# KiCad board cell-sim.kicad_pcb (continued)
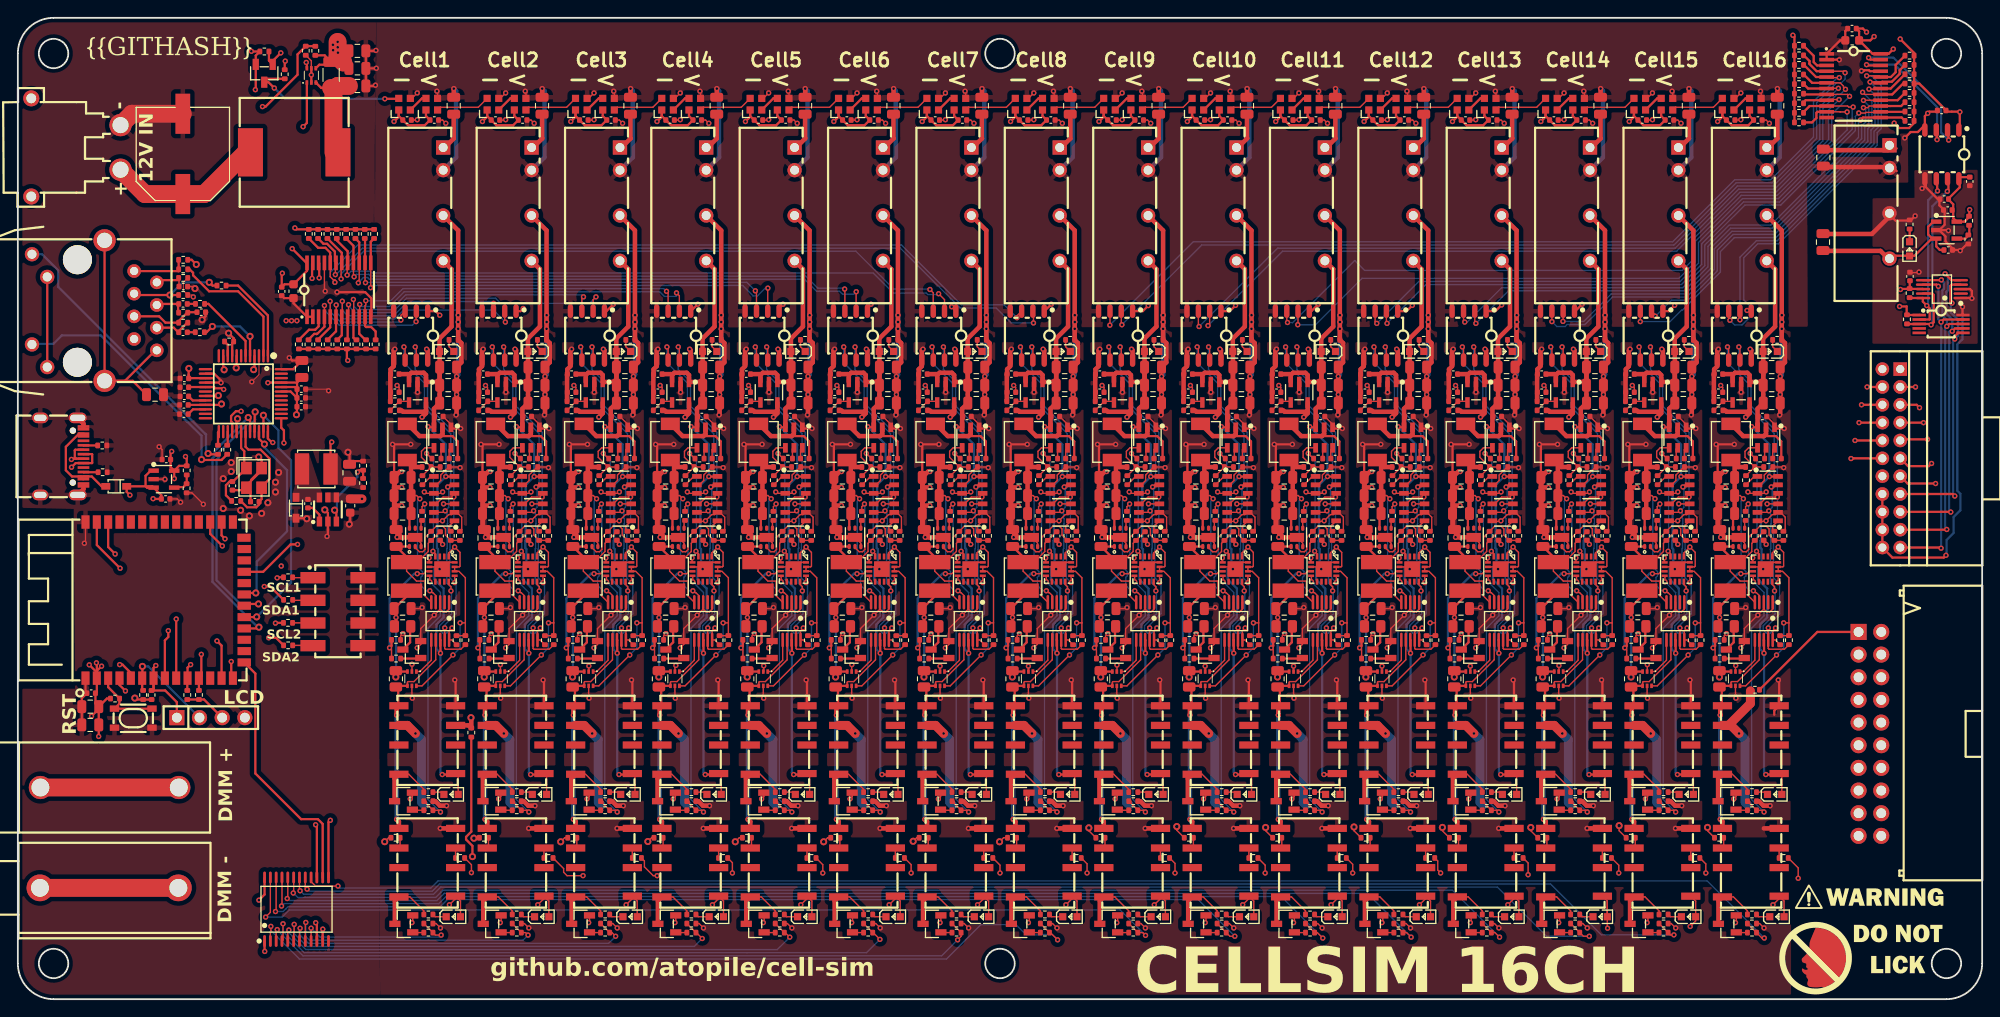
[diagram p0: board, top side]
## Placement (name value [footprint] x y rotation side) (continued)
R84  62.5mW Thick Film Resistors 50V ±100ppm/℃ ±1% 1kΩ 0402 Chip Resistor - Surface Mount ROHS  [R0402]  45.98 8.48 0 top
R85  62.5mW Thick Film Resistors 50V ±100ppm/℃ ±1% 1kΩ 0402 Chip Resistor - Surface Mount ROHS  [R0402]  42.36 38.18 0 top
R86  62.5mW Thick Film Resistors 50V ±100ppm/℃ ±1% 10kΩ 0402 Chip Resistor - Surface Mount ROHS  [R0402]  42.36 40.28 0 top
R87  125mW Thick Film Resistors 150V ±100ppm/℃ ±1% 226Ω 0805  Chip Resistor - Surface Mount ROHS  [R0805]  43.09 41.79 0 top
R88  62.5mW Thick Film Resistors 50V ±100ppm/℃ ±1% 10kΩ 0402 Chip Resistor - Surface Mount ROHS  [R0402]  50.12 40.25 90 top
R89  62.5mW Thick Film Resistors 50V ±100ppm/℃ ±1% 10kΩ 0402 Chip Resistor - Surface Mount ROHS  [R0402]  49.13 40.23 90 top
R90  62.5mW Thick Film Resistors 50V ±100ppm/℃ ±1% 11.5kΩ 0402 Chip Resistor - Surface Mount ROHS  [R0402]  42.22 66 180 top
R91  62.5mW Thick Film Resistors 50V ±100ppm/℃ ±1% 6.19kΩ 0402 Chip Resistor - Surface Mount ROHS  [R0402]  42.22 67.02 180 top
R92  62.5mW Thick Film Resistors 50V ±100ppm/℃ ±1% 10kΩ 0402 Chip Resistor - Surface Mount ROHS  [R0402]  42.3 18.09 180 top
R93  62.5mW Thick Film Resistors 50V ±100ppm/℃ ±1% 10kΩ 0402 Chip Resistor - Surface Mount ROHS  [R0402]  49.53 15.83 0 top
R94  62.5mW Thick Film Resistors 50V ±100ppm/℃ ±1% 14kΩ 0402 Chip Resistor - Surface Mount ROHS  [R0402]  58.7 73.9 0 top
R95  62.5mW Thick Film Resistors 50V ±100ppm/℃ ±1% 24kΩ 0402 Chip Resistor - Surface Mount ROHS  [R0402]  55.21 58.17 90 top
R96  62.5mW Thick Film Resistors 50V ±100ppm/℃ ±1% 37.4kΩ 0402 Chip Resistor - Surface Mount ROHS  [R0402]  55.68 59.65 0 top
R97  62.5mW Thick Film Resistors 50V ±100ppm/℃ ±1% 10kΩ 0402 Chip Resistor - Surface Mount ROHS  [R0402]  57.71 59.65 0 top
R98  62.5mW Thick Film Resistors 50V ±100ppm/℃ ±1% 10kΩ 0402 Chip Resistor - Surface Mount ROHS  [R0402]  56.79 60.6 0 top
R99  62.5mW Thick Film Resistors 50V ±100ppm/℃ ±1% 43kΩ 0402 Chip Resistor - Surface Mount ROHS  [R0402]  58.39 51.94 270 top
R100  62.5mW Thick Film Resistors 50V ±100ppm/℃ ±1% 60.4kΩ 0402 Chip Resistor - Surface Mount ROHS  [R0402]  56.19 51.93 90 top
R101  62.5mW Thick Film Resistors 50V ±100ppm/℃ ±1% 10kΩ 0402 Chip Resistor - Surface Mount ROHS  [R0402]  59.4 51.94 90 top
R102  62.5mW Thick Film Resistors 50V ±100ppm/℃ ±1% 10kΩ 0402 Chip Resistor - Surface Mount ROHS  [R0402]  55.16 54.17 270 top
R103  125mW Thick Film Resistors 150V ±1% 100mΩ 0805 Chip Resistor - Surface Mount ROHS  [R0805]  52.24 35.91 270 top
R104  62.5mW Thick Film Resistors 50V ±100ppm/℃ ±1% 13kΩ 0402 Chip Resistor - Surface Mount ROHS  [R0402]  55.88 23.21 180 top
R105  62.5mW Thick Film Resistors 50V ±100ppm/℃ ±1% 10kΩ 0402 Chip Resistor - Surface Mount ROHS  [R0402]  55.88 21.18 180 top
R106  62.5mW Thick Film Resistors 50V ±100ppm/℃ ±1% 1kΩ 0402 Chip Resistor - Surface Mount ROHS  [R0402]  55.88 22.19 0 top
R107  62.5mW Thick Film Resistors 50V ±100ppm/℃ ±1% 13kΩ 0402 Chip Resistor - Surface Mount ROHS  [R0402]  55.88 9.49 180 top
R108  62.5mW Thick Film Resistors 50V ±100ppm/℃ ±1% 10kΩ 0402 Chip Resistor - Surface Mount ROHS  [R0402]  55.88 7.46 180 top
R109  62.5mW Thick Film Resistors 50V ±100ppm/℃ ±1% 1kΩ 0402 Chip Resistor - Surface Mount ROHS  [R0402]  55.88 8.48 0 top
R110  62.5mW Thick Film Resistors 50V ±100ppm/℃ ±1% 1kΩ 0402 Chip Resistor - Surface Mount ROHS  [R0402]  52.26 38.18 0 top
R111  62.5mW Thick Film Resistors 50V ±100ppm/℃ ±1% 10kΩ 0402 Chip Resistor - Surface Mount ROHS  [R0402]  52.26 40.28 0 top
R112  125mW Thick Film Resistors 150V ±100ppm/℃ ±1% 226Ω 0805  Chip Resistor - Surface Mount ROHS  [R0805]  52.99 41.79 0 top
R113  62.5mW Thick Film Resistors 50V ±100ppm/℃ ±1% 10kΩ 0402 Chip Resistor - Surface Mount ROHS  [R0402]  60.02 40.25 90 top
R114  62.5mW Thick Film Resistors 50V ±100ppm/℃ ±1% 10kΩ 0402 Chip Resistor - Surface Mount ROHS  [R0402]  59.03 40.23 90 top
R115  62.5mW Thick Film Resistors 50V ±100ppm/℃ ±1% 11.5kΩ 0402 Chip Resistor - Surface Mount ROHS  [R0402]  52.12 66 180 top
R116  62.5mW Thick Film Resistors 50V ±100ppm/℃ ±1% 6.19kΩ 0402 Chip Resistor - Surface Mount ROHS  [R0402]  52.12 67.02 180 top
R117  62.5mW Thick Film Resistors 50V ±100ppm/℃ ±1% 10kΩ 0402 Chip Resistor - Surface Mount ROHS  [R0402]  52.2 18.09 180 top
R118  62.5mW Thick Film Resistors 50V ±100ppm/℃ ±1% 10kΩ 0402 Chip Resistor - Surface Mount ROHS  [R0402]  59.43 15.83 0 top
R119  62.5mW Thick Film Resistors 50V ±100ppm/℃ ±1% 14kΩ 0402 Chip Resistor - Surface Mount ROHS  [R0402]  68.6 73.9 0 top
R120  62.5mW Thick Film Resistors 50V ±100ppm/℃ ±1% 24kΩ 0402 Chip Resistor - Surface Mount ROHS  [R0402]  65.11 58.17 90 top
R121  62.5mW Thick Film Resistors 50V ±100ppm/℃ ±1% 37.4kΩ 0402 Chip Resistor - Surface Mount ROHS  [R0402]  65.58 59.65 0 top
R122  62.5mW Thick Film Resistors 50V ±100ppm/℃ ±1% 10kΩ 0402 Chip Resistor - Surface Mount ROHS  [R0402]  67.61 59.65 0 top
R123  62.5mW Thick Film Resistors 50V ±100ppm/℃ ±1% 10kΩ 0402 Chip Resistor - Surface Mount ROHS  [R0402]  66.69 60.6 0 top
R124  62.5mW Thick Film Resistors 50V ±100ppm/℃ ±1% 43kΩ 0402 Chip Resistor - Surface Mount ROHS  [R0402]  68.29 51.94 270 top
R125  62.5mW Thick Film Resistors 50V ±100ppm/℃ ±1% 60.4kΩ 0402 Chip Resistor - Surface Mount ROHS  [R0402]  66.08 51.93 90 top
R126  62.5mW Thick Film Resistors 50V ±100ppm/℃ ±1% 10kΩ 0402 Chip Resistor - Surface Mount ROHS  [R0402]  69.3 51.94 90 top
R127  62.5mW Thick Film Resistors 50V ±100ppm/℃ ±1% 10kΩ 0402 Chip Resistor - Surface Mount ROHS  [R0402]  65.06 54.17 270 top
R128  125mW Thick Film Resistors 150V ±1% 100mΩ 0805 Chip Resistor - Surface Mount ROHS  [R0805]  62.14 35.91 270 top
R129  62.5mW Thick Film Resistors 50V ±100ppm/℃ ±1% 13kΩ 0402 Chip Resistor - Surface Mount ROHS  [R0402]  65.78 23.21 180 top
R130  62.5mW Thick Film Resistors 50V ±100ppm/℃ ±1% 10kΩ 0402 Chip Resistor - Surface Mount ROHS  [R0402]  65.78 21.18 180 top
R131  62.5mW Thick Film Resistors 50V ±100ppm/℃ ±1% 1kΩ 0402 Chip Resistor - Surface Mount ROHS  [R0402]  65.78 22.19 0 top
R132  62.5mW Thick Film Resistors 50V ±100ppm/℃ ±1% 13kΩ 0402 Chip Resistor - Surface Mount ROHS  [R0402]  65.78 9.49 180 top
R133  62.5mW Thick Film Resistors 50V ±100ppm/℃ ±1% 10kΩ 0402 Chip Resistor - Surface Mount ROHS  [R0402]  65.78 7.46 180 top
R134  62.5mW Thick Film Resistors 50V ±100ppm/℃ ±1% 1kΩ 0402 Chip Resistor - Surface Mount ROHS  [R0402]  65.78 8.48 0 top
R135  62.5mW Thick Film Resistors 50V ±100ppm/℃ ±1% 1kΩ 0402 Chip Resistor - Surface Mount ROHS  [R0402]  62.16 38.18 0 top
R136  62.5mW Thick Film Resistors 50V ±100ppm/℃ ±1% 10kΩ 0402 Chip Resistor - Surface Mount ROHS  [R0402]  62.16 40.28 0 top
R137  125mW Thick Film Resistors 150V ±100ppm/℃ ±1% 226Ω 0805  Chip Resistor - Surface Mount ROHS  [R0805]  62.89 41.79 0 top
R138  62.5mW Thick Film Resistors 50V ±100ppm/℃ ±1% 10kΩ 0402 Chip Resistor - Surface Mount ROHS  [R0402]  69.92 40.25 90 top
R139  62.5mW Thick Film Resistors 50V ±100ppm/℃ ±1% 10kΩ 0402 Chip Resistor - Surface Mount ROHS  [R0402]  68.93 40.23 90 top
R140  62.5mW Thick Film Resistors 50V ±100ppm/℃ ±1% 11.5kΩ 0402 Chip Resistor - Surface Mount ROHS  [R0402]  62.02 66 180 top
R141  62.5mW Thick Film Resistors 50V ±100ppm/℃ ±1% 6.19kΩ 0402 Chip Resistor - Surface Mount ROHS  [R0402]  62.02 67.02 180 top
R142  62.5mW Thick Film Resistors 50V ±100ppm/℃ ±1% 10kΩ 0402 Chip Resistor - Surface Mount ROHS  [R0402]  62.1 18.09 180 top
R143  62.5mW Thick Film Resistors 50V ±100ppm/℃ ±1% 10kΩ 0402 Chip Resistor - Surface Mount ROHS  [R0402]  69.33 15.83 0 top
R144  62.5mW Thick Film Resistors 50V ±100ppm/℃ ±1% 14kΩ 0402 Chip Resistor - Surface Mount ROHS  [R0402]  78.26 73.9 0 top
R145  62.5mW Thick Film Resistors 50V ±100ppm/℃ ±1% 24kΩ 0402 Chip Resistor - Surface Mount ROHS  [R0402]  74.77 58.17 90 top
R146  62.5mW Thick Film Resistors 50V ±100ppm/℃ ±1% 37.4kΩ 0402 Chip Resistor - Surface Mount ROHS  [R0402]  75.24 59.65 0 top
R147  62.5mW Thick Film Resistors 50V ±100ppm/℃ ±1% 10kΩ 0402 Chip Resistor - Surface Mount ROHS  [R0402]  77.27 59.65 0 top
R148  62.5mW Thick Film Resistors 50V ±100ppm/℃ ±1% 10kΩ 0402 Chip Resistor - Surface Mount ROHS  [R0402]  76.35 60.6 0 top
R149  62.5mW Thick Film Resistors 50V ±100ppm/℃ ±1% 43kΩ 0402 Chip Resistor - Surface Mount ROHS  [R0402]  77.95 51.94 270 top
R150  62.5mW Thick Film Resistors 50V ±100ppm/℃ ±1% 60.4kΩ 0402 Chip Resistor - Surface Mount ROHS  [R0402]  75.74 51.93 90 top
R151  62.5mW Thick Film Resistors 50V ±100ppm/℃ ±1% 10kΩ 0402 Chip Resistor - Surface Mount ROHS  [R0402]  78.96 51.94 90 top
R152  62.5mW Thick Film Resistors 50V ±100ppm/℃ ±1% 10kΩ 0402 Chip Resistor - Surface Mount ROHS  [R0402]  74.72 54.17 270 top
R153  125mW Thick Film Resistors 150V ±1% 100mΩ 0805 Chip Resistor - Surface Mount ROHS  [R0805]  71.8 35.91 270 top
R154  62.5mW Thick Film Resistors 50V ±100ppm/℃ ±1% 13kΩ 0402 Chip Resistor - Surface Mount ROHS  [R0402]  75.44 23.21 180 top
R155  62.5mW Thick Film Resistors 50V ±100ppm/℃ ±1% 10kΩ 0402 Chip Resistor - Surface Mount ROHS  [R0402]  75.44 21.18 180 top
R156  62.5mW Thick Film Resistors 50V ±100ppm/℃ ±1% 1kΩ 0402 Chip Resistor - Surface Mount ROHS  [R0402]  75.44 22.19 0 top
R157  62.5mW Thick Film Resistors 50V ±100ppm/℃ ±1% 13kΩ 0402 Chip Resistor - Surface Mount ROHS  [R0402]  75.44 9.49 180 top
R158  62.5mW Thick Film Resistors 50V ±100ppm/℃ ±1% 10kΩ 0402 Chip Resistor - Surface Mount ROHS  [R0402]  75.44 7.46 180 top
R159  62.5mW Thick Film Resistors 50V ±100ppm/℃ ±1% 1kΩ 0402 Chip Resistor - Surface Mount ROHS  [R0402]  75.44 8.48 0 top
R160  62.5mW Thick Film Resistors 50V ±100ppm/℃ ±1% 1kΩ 0402 Chip Resistor - Surface Mount ROHS  [R0402]  71.82 38.18 0 top
R161  62.5mW Thick Film Resistors 50V ±100ppm/℃ ±1% 10kΩ 0402 Chip Resistor - Surface Mount ROHS  [R0402]  71.82 40.28 0 top
R162  125mW Thick Film Resistors 150V ±100ppm/℃ ±1% 226Ω 0805  Chip Resistor - Surface Mount ROHS  [R0805]  72.55 41.79 0 top
R163  62.5mW Thick Film Resistors 50V ±100ppm/℃ ±1% 10kΩ 0402 Chip Resistor - Surface Mount ROHS  [R0402]  79.58 40.25 90 top
R164  62.5mW Thick Film Resistors 50V ±100ppm/℃ ±1% 10kΩ 0402 Chip Resistor - Surface Mount ROHS  [R0402]  78.59 40.23 90 top
R165  62.5mW Thick Film Resistors 50V ±100ppm/℃ ±1% 11.5kΩ 0402 Chip Resistor - Surface Mount ROHS  [R0402]  71.68 66 180 top
R166  62.5mW Thick Film Resistors 50V ±100ppm/℃ ±1% 6.19kΩ 0402 Chip Resistor - Surface Mount ROHS  [R0402]  71.68 67.02 180 top
R167  62.5mW Thick Film Resistors 50V ±100ppm/℃ ±1% 10kΩ 0402 Chip Resistor - Surface Mount ROHS  [R0402]  71.76 18.09 180 top
R168  62.5mW Thick Film Resistors 50V ±100ppm/℃ ±1% 10kΩ 0402 Chip Resistor - Surface Mount ROHS  [R0402]  78.99 15.83 0 top
R169  62.5mW Thick Film Resistors 50V ±100ppm/℃ ±1% 14kΩ 0402 Chip Resistor - Surface Mount ROHS  [R0402]  88.16 73.9 0 top
R170  62.5mW Thick Film Resistors 50V ±100ppm/℃ ±1% 24kΩ 0402 Chip Resistor - Surface Mount ROHS  [R0402]  84.67 58.17 90 top
R171  62.5mW Thick Film Resistors 50V ±100ppm/℃ ±1% 37.4kΩ 0402 Chip Resistor - Surface Mount ROHS  [R0402]  85.14 59.65 0 top
R172  62.5mW Thick Film Resistors 50V ±100ppm/℃ ±1% 10kΩ 0402 Chip Resistor - Surface Mount ROHS  [R0402]  87.17 59.65 0 top
R173  62.5mW Thick Film Resistors 50V ±100ppm/℃ ±1% 10kΩ 0402 Chip Resistor - Surface Mount ROHS  [R0402]  86.24 60.6 0 top
R174  62.5mW Thick Film Resistors 50V ±100ppm/℃ ±1% 43kΩ 0402 Chip Resistor - Surface Mount ROHS  [R0402]  87.85 51.94 270 top
R175  62.5mW Thick Film Resistors 50V ±100ppm/℃ ±1% 60.4kΩ 0402 Chip Resistor - Surface Mount ROHS  [R0402]  85.64 51.93 90 top
R176  62.5mW Thick Film Resistors 50V ±100ppm/℃ ±1% 10kΩ 0402 Chip Resistor - Surface Mount ROHS  [R0402]  88.86 51.94 90 top
R177  62.5mW Thick Film Resistors 50V ±100ppm/℃ ±1% 10kΩ 0402 Chip Resistor - Surface Mount ROHS  [R0402]  84.62 54.17 270 top
R178  125mW Thick Film Resistors 150V ±1% 100mΩ 0805 Chip Resistor - Surface Mount ROHS  [R0805]  81.69 35.91 270 top
R179  62.5mW Thick Film Resistors 50V ±100ppm/℃ ±1% 13kΩ 0402 Chip Resistor - Surface Mount ROHS  [R0402]  85.34 23.21 180 top
R180  62.5mW Thick Film Resistors 50V ±100ppm/℃ ±1% 10kΩ 0402 Chip Resistor - Surface Mount ROHS  [R0402]  85.34 21.18 180 top
R181  62.5mW Thick Film Resistors 50V ±100ppm/℃ ±1% 1kΩ 0402 Chip Resistor - Surface Mount ROHS  [R0402]  85.34 22.19 0 top
R182  62.5mW Thick Film Resistors 50V ±100ppm/℃ ±1% 13kΩ 0402 Chip Resistor - Surface Mount ROHS  [R0402]  85.34 9.49 180 top
R183  62.5mW Thick Film Resistors 50V ±100ppm/℃ ±1% 10kΩ 0402 Chip Resistor - Surface Mount ROHS  [R0402]  85.34 7.46 180 top
R184  62.5mW Thick Film Resistors 50V ±100ppm/℃ ±1% 1kΩ 0402 Chip Resistor - Surface Mount ROHS  [R0402]  85.34 8.48 0 top
R185  62.5mW Thick Film Resistors 50V ±100ppm/℃ ±1% 1kΩ 0402 Chip Resistor - Surface Mount ROHS  [R0402]  81.72 38.18 0 top
R186  62.5mW Thick Film Resistors 50V ±100ppm/℃ ±1% 10kΩ 0402 Chip Resistor - Surface Mount ROHS  [R0402]  81.71 40.28 0 top
R187  125mW Thick Film Resistors 150V ±100ppm/℃ ±1% 226Ω 0805  Chip Resistor - Surface Mount ROHS  [R0805]  82.45 41.79 0 top
R188  62.5mW Thick Film Resistors 50V ±100ppm/℃ ±1% 10kΩ 0402 Chip Resistor - Surface Mount ROHS  [R0402]  89.48 40.25 90 top
R189  62.5mW Thick Film Resistors 50V ±100ppm/℃ ±1% 10kΩ 0402 Chip Resistor - Surface Mount ROHS  [R0402]  88.49 40.23 90 top
R190  62.5mW Thick Film Resistors 50V ±100ppm/℃ ±1% 11.5kΩ 0402 Chip Resistor - Surface Mount ROHS  [R0402]  81.58 66 180 top
R191  62.5mW Thick Film Resistors 50V ±100ppm/℃ ±1% 6.19kΩ 0402 Chip Resistor - Surface Mount ROHS  [R0402]  81.58 67.02 180 top
R192  62.5mW Thick Film Resistors 50V ±100ppm/℃ ±1% 10kΩ 0402 Chip Resistor - Surface Mount ROHS  [R0402]  81.65 18.09 180 top
R193  62.5mW Thick Film Resistors 50V ±100ppm/℃ ±1% 10kΩ 0402 Chip Resistor - Surface Mount ROHS  [R0402]  88.89 15.83 0 top
R194  62.5mW Thick Film Resistors 50V ±100ppm/℃ ±1% 14kΩ 0402 Chip Resistor - Surface Mount ROHS  [R0402]  98.06 73.9 0 top
R195  62.5mW Thick Film Resistors 50V ±100ppm/℃ ±1% 24kΩ 0402 Chip Resistor - Surface Mount ROHS  [R0402]  94.57 58.17 90 top
R196  62.5mW Thick Film Resistors 50V ±100ppm/℃ ±1% 37.4kΩ 0402 Chip Resistor - Surface Mount ROHS  [R0402]  95.03 59.65 0 top
R197  62.5mW Thick Film Resistors 50V ±100ppm/℃ ±1% 10kΩ 0402 Chip Resistor - Surface Mount ROHS  [R0402]  97.07 59.65 0 top
R198  62.5mW Thick Film Resistors 50V ±100ppm/℃ ±1% 10kΩ 0402 Chip Resistor - Surface Mount ROHS  [R0402]  96.14 60.6 0 top
R199  62.5mW Thick Film Resistors 50V ±100ppm/℃ ±1% 43kΩ 0402 Chip Resistor - Surface Mount ROHS  [R0402]  97.74 51.94 270 top
R200  62.5mW Thick Film Resistors 50V ±100ppm/℃ ±1% 60.4kΩ 0402 Chip Resistor - Surface Mount ROHS  [R0402]  95.54 51.93 90 top
R201  62.5mW Thick Film Resistors 50V ±100ppm/℃ ±1% 10kΩ 0402 Chip Resistor - Surface Mount ROHS  [R0402]  98.76 51.94 90 top
R202  62.5mW Thick Film Resistors 50V ±100ppm/℃ ±1% 10kΩ 0402 Chip Resistor - Surface Mount ROHS  [R0402]  94.52 54.17 270 top
R203  125mW Thick Film Resistors 150V ±1% 100mΩ 0805 Chip Resistor - Surface Mount ROHS  [R0805]  91.59 35.91 270 top
R204  62.5mW Thick Film Resistors 50V ±100ppm/℃ ±1% 13kΩ 0402 Chip Resistor - Surface Mount ROHS  [R0402]  95.23 23.21 180 top
R205  62.5mW Thick Film Resistors 50V ±100ppm/℃ ±1% 10kΩ 0402 Chip Resistor - Surface Mount ROHS  [R0402]  95.23 21.18 180 top
R206  62.5mW Thick Film Resistors 50V ±100ppm/℃ ±1% 1kΩ 0402 Chip Resistor - Surface Mount ROHS  [R0402]  95.23 22.19 0 top
R207  62.5mW Thick Film Resistors 50V ±100ppm/℃ ±1% 13kΩ 0402 Chip Resistor - Surface Mount ROHS  [R0402]  95.23 9.49 180 top
R208  62.5mW Thick Film Resistors 50V ±100ppm/℃ ±1% 10kΩ 0402 Chip Resistor - Surface Mount ROHS  [R0402]  95.23 7.46 180 top
R209  62.5mW Thick Film Resistors 50V ±100ppm/℃ ±1% 1kΩ 0402 Chip Resistor - Surface Mount ROHS  [R0402]  95.23 8.48 0 top
R210  62.5mW Thick Film Resistors 50V ±100ppm/℃ ±1% 1kΩ 0402 Chip Resistor - Surface Mount ROHS  [R0402]  91.62 38.18 0 top
R211  62.5mW Thick Film Resistors 50V ±100ppm/℃ ±1% 10kΩ 0402 Chip Resistor - Surface Mount ROHS  [R0402]  91.61 40.28 0 top
R212  125mW Thick Film Resistors 150V ±100ppm/℃ ±1% 226Ω 0805  Chip Resistor - Surface Mount ROHS  [R0805]  92.34 41.79 0 top
R213  62.5mW Thick Film Resistors 50V ±100ppm/℃ ±1% 10kΩ 0402 Chip Resistor - Surface Mount ROHS  [R0402]  99.37 40.25 90 top
R214  62.5mW Thick Film Resistors 50V ±100ppm/℃ ±1% 10kΩ 0402 Chip Resistor - Surface Mount ROHS  [R0402]  98.39 40.23 90 top
R215  62.5mW Thick Film Resistors 50V ±100ppm/℃ ±1% 11.5kΩ 0402 Chip Resistor - Surface Mount ROHS  [R0402]  91.48 66 180 top
R216  62.5mW Thick Film Resistors 50V ±100ppm/℃ ±1% 6.19kΩ 0402 Chip Resistor - Surface Mount ROHS  [R0402]  91.48 67.02 180 top
R217  62.5mW Thick Film Resistors 50V ±100ppm/℃ ±1% 10kΩ 0402 Chip Resistor - Surface Mount ROHS  [R0402]  91.55 18.09 180 top
R218  62.5mW Thick Film Resistors 50V ±100ppm/℃ ±1% 10kΩ 0402 Chip Resistor - Surface Mount ROHS  [R0402]  98.79 15.83 0 top
R219  62.5mW Thick Film Resistors 50V ±100ppm/℃ ±1% 14kΩ 0402 Chip Resistor - Surface Mount ROHS  [R0402]  107.96 73.9 0 top
R220  62.5mW Thick Film Resistors 50V ±100ppm/℃ ±1% 24kΩ 0402 Chip Resistor - Surface Mount ROHS  [R0402]  104.47 58.17 90 top
R221  62.5mW Thick Film Resistors 50V ±100ppm/℃ ±1% 37.4kΩ 0402 Chip Resistor - Surface Mount ROHS  [R0402]  104.93 59.65 0 top
R222  62.5mW Thick Film Resistors 50V ±100ppm/℃ ±1% 10kΩ 0402 Chip Resistor - Surface Mount ROHS  [R0402]  106.96 59.65 0 top
R223  62.5mW Thick Film Resistors 50V ±100ppm/℃ ±1% 10kΩ 0402 Chip Resistor - Surface Mount ROHS  [R0402]  106.04 60.6 0 top
R224  62.5mW Thick Film Resistors 50V ±100ppm/℃ ±1% 43kΩ 0402 Chip Resistor - Surface Mount ROHS  [R0402]  107.64 51.94 270 top
R225  62.5mW Thick Film Resistors 50V ±100ppm/℃ ±1% 60.4kΩ 0402 Chip Resistor - Surface Mount ROHS  [R0402]  105.44 51.93 90 top
R226  62.5mW Thick Film Resistors 50V ±100ppm/℃ ±1% 10kΩ 0402 Chip Resistor - Surface Mount ROHS  [R0402]  108.66 51.94 90 top
R227  62.5mW Thick Film Resistors 50V ±100ppm/℃ ±1% 10kΩ 0402 Chip Resistor - Surface Mount ROHS  [R0402]  104.42 54.17 270 top
R228  125mW Thick Film Resistors 150V ±1% 100mΩ 0805 Chip Resistor - Surface Mount ROHS  [R0805]  101.49 35.91 270 top
R229  62.5mW Thick Film Resistors 50V ±100ppm/℃ ±1% 13kΩ 0402 Chip Resistor - Surface Mount ROHS  [R0402]  105.13 23.21 180 top
R230  62.5mW Thick Film Resistors 50V ±100ppm/℃ ±1% 10kΩ 0402 Chip Resistor - Surface Mount ROHS  [R0402]  105.13 21.18 180 top
R231  62.5mW Thick Film Resistors 50V ±100ppm/℃ ±1% 1kΩ 0402 Chip Resistor - Surface Mount ROHS  [R0402]  105.13 22.19 0 top
R232  62.5mW Thick Film Resistors 50V ±100ppm/℃ ±1% 13kΩ 0402 Chip Resistor - Surface Mount ROHS  [R0402]  105.13 9.49 180 top
R233  62.5mW Thick Film Resistors 50V ±100ppm/℃ ±1% 10kΩ 0402 Chip Resistor - Surface Mount ROHS  [R0402]  105.13 7.46 180 top
R234  62.5mW Thick Film Resistors 50V ±100ppm/℃ ±1% 1kΩ 0402 Chip Resistor - Surface Mount ROHS  [R0402]  105.13 8.48 0 top
R235  62.5mW Thick Film Resistors 50V ±100ppm/℃ ±1% 1kΩ 0402 Chip Resistor - Surface Mount ROHS  [R0402]  101.51 38.18 0 top
R236  62.5mW Thick Film Resistors 50V ±100ppm/℃ ±1% 10kΩ 0402 Chip Resistor - Surface Mount ROHS  [R0402]  101.51 40.28 0 top
R237  125mW Thick Film Resistors 150V ±100ppm/℃ ±1% 226Ω 0805  Chip Resistor - Surface Mount ROHS  [R0805]  102.24 41.79 0 top
R238  62.5mW Thick Film Resistors 50V ±100ppm/℃ ±1% 10kΩ 0402 Chip Resistor - Surface Mount ROHS  [R0402]  109.27 40.25 90 top
R239  62.5mW Thick Film Resistors 50V ±100ppm/℃ ±1% 10kΩ 0402 Chip Resistor - Surface Mount ROHS  [R0402]  108.29 40.23 90 top
R240  62.5mW Thick Film Resistors 50V ±100ppm/℃ ±1% 11.5kΩ 0402 Chip Resistor - Surface Mount ROHS  [R0402]  101.38 66 180 top
R241  62.5mW Thick Film Resistors 50V ±100ppm/℃ ±1% 6.19kΩ 0402 Chip Resistor - Surface Mount ROHS  [R0402]  101.38 67.02 180 top
R242  62.5mW Thick Film Resistors 50V ±100ppm/℃ ±1% 10kΩ 0402 Chip Resistor - Surface Mount ROHS  [R0402]  101.45 18.09 180 top
R243  62.5mW Thick Film Resistors 50V ±100ppm/℃ ±1% 10kΩ 0402 Chip Resistor - Surface Mount ROHS  [R0402]  108.69 15.83 0 top
R244  62.5mW Thick Film Resistors 50V ±100ppm/℃ ±1% 14kΩ 0402 Chip Resistor - Surface Mount ROHS  [R0402]  117.86 73.9 0 top
R245  62.5mW Thick Film Resistors 50V ±100ppm/℃ ±1% 24kΩ 0402 Chip Resistor - Surface Mount ROHS  [R0402]  114.36 58.17 90 top
R246  62.5mW Thick Film Resistors 50V ±100ppm/℃ ±1% 37.4kΩ 0402 Chip Resistor - Surface Mount ROHS  [R0402]  114.83 59.65 0 top
R247  62.5mW Thick Film Resistors 50V ±100ppm/℃ ±1% 10kΩ 0402 Chip Resistor - Surface Mount ROHS  [R0402]  116.86 59.65 0 top
R248  62.5mW Thick Film Resistors 50V ±100ppm/℃ ±1% 10kΩ 0402 Chip Resistor - Surface Mount ROHS  [R0402]  115.94 60.6 0 top
R249  62.5mW Thick Film Resistors 50V ±100ppm/℃ ±1% 43kΩ 0402 Chip Resistor - Surface Mount ROHS  [R0402]  117.54 51.94 270 top
R250  62.5mW Thick Film Resistors 50V ±100ppm/℃ ±1% 60.4kΩ 0402 Chip Resistor - Surface Mount ROHS  [R0402]  115.34 51.93 90 top
R251  62.5mW Thick Film Resistors 50V ±100ppm/℃ ±1% 10kΩ 0402 Chip Resistor - Surface Mount ROHS  [R0402]  118.55 51.94 90 top
R252  62.5mW Thick Film Resistors 50V ±100ppm/℃ ±1% 10kΩ 0402 Chip Resistor - Surface Mount ROHS  [R0402]  114.32 54.17 270 top
R253  125mW Thick Film Resistors 150V ±1% 100mΩ 0805 Chip Resistor - Surface Mount ROHS  [R0805]  111.39 35.91 270 top
R254  62.5mW Thick Film Resistors 50V ±100ppm/℃ ±1% 13kΩ 0402 Chip Resistor - Surface Mount ROHS  [R0402]  115.03 23.21 180 top
R255  62.5mW Thick Film Resistors 50V ±100ppm/℃ ±1% 10kΩ 0402 Chip Resistor - Surface Mount ROHS  [R0402]  115.03 21.18 180 top
R256  62.5mW Thick Film Resistors 50V ±100ppm/℃ ±1% 1kΩ 0402 Chip Resistor - Surface Mount ROHS  [R0402]  115.03 22.19 0 top
R257  62.5mW Thick Film Resistors 50V ±100ppm/℃ ±1% 13kΩ 0402 Chip Resistor - Surface Mount ROHS  [R0402]  115.03 9.49 180 top
R258  62.5mW Thick Film Resistors 50V ±100ppm/℃ ±1% 10kΩ 0402 Chip Resistor - Surface Mount ROHS  [R0402]  115.03 7.46 180 top
R259  62.5mW Thick Film Resistors 50V ±100ppm/℃ ±1% 1kΩ 0402 Chip Resistor - Surface Mount ROHS  [R0402]  115.03 8.48 0 top
R260  62.5mW Thick Film Resistors 50V ±100ppm/℃ ±1% 1kΩ 0402 Chip Resistor - Surface Mount ROHS  [R0402]  111.41 38.18 0 top
R261  62.5mW Thick Film Resistors 50V ±100ppm/℃ ±1% 10kΩ 0402 Chip Resistor - Surface Mount ROHS  [R0402]  111.41 40.28 0 top
R262  125mW Thick Film Resistors 150V ±100ppm/℃ ±1% 226Ω 0805  Chip Resistor - Surface Mount ROHS  [R0805]  112.14 41.79 0 top
R263  62.5mW Thick Film Resistors 50V ±100ppm/℃ ±1% 10kΩ 0402 Chip Resistor - Surface Mount ROHS  [R0402]  119.17 40.25 90 top
R264  62.5mW Thick Film Resistors 50V ±100ppm/℃ ±1% 10kΩ 0402 Chip Resistor - Surface Mount ROHS  [R0402]  118.18 40.23 90 top
R265  62.5mW Thick Film Resistors 50V ±100ppm/℃ ±1% 11.5kΩ 0402 Chip Resistor - Surface Mount ROHS  [R0402]  111.27 66 180 top
R266  62.5mW Thick Film Resistors 50V ±100ppm/℃ ±1% 6.19kΩ 0402 Chip Resistor - Surface Mount ROHS  [R0402]  111.27 67.02 180 top
R267  62.5mW Thick Film Resistors 50V ±100ppm/℃ ±1% 10kΩ 0402 Chip Resistor - Surface Mount ROHS  [R0402]  111.35 18.09 180 top
R268  62.5mW Thick Film Resistors 50V ±100ppm/℃ ±1% 10kΩ 0402 Chip Resistor - Surface Mount ROHS  [R0402]  118.58 15.83 0 top
R269  62.5mW Thick Film Resistors 50V ±100ppm/℃ ±1% 14kΩ 0402 Chip Resistor - Surface Mount ROHS  [R0402]  127.76 73.9 0 top
R270  62.5mW Thick Film Resistors 50V ±100ppm/℃ ±1% 24kΩ 0402 Chip Resistor - Surface Mount ROHS  [R0402]  124.26 58.17 90 top
R271  62.5mW Thick Film Resistors 50V ±100ppm/℃ ±1% 37.4kΩ 0402 Chip Resistor - Surface Mount ROHS  [R0402]  124.73 59.65 0 top
R272  62.5mW Thick Film Resistors 50V ±100ppm/℃ ±1% 10kΩ 0402 Chip Resistor - Surface Mount ROHS  [R0402]  126.76 59.65 0 top
R273  62.5mW Thick Film Resistors 50V ±100ppm/℃ ±1% 10kΩ 0402 Chip Resistor - Surface Mount ROHS  [R0402]  125.84 60.6 0 top
R274  62.5mW Thick Film Resistors 50V ±100ppm/℃ ±1% 43kΩ 0402 Chip Resistor - Surface Mount ROHS  [R0402]  127.44 51.94 270 top
R275  62.5mW Thick Film Resistors 50V ±100ppm/℃ ±1% 60.4kΩ 0402 Chip Resistor - Surface Mount ROHS  [R0402]  125.24 51.93 90 top
R276  62.5mW Thick Film Resistors 50V ±100ppm/℃ ±1% 10kΩ 0402 Chip Resistor - Surface Mount ROHS  [R0402]  128.45 51.94 90 top
R277  62.5mW Thick Film Resistors 50V ±100ppm/℃ ±1% 10kΩ 0402 Chip Resistor - Surface Mount ROHS  [R0402]  124.22 54.17 270 top
R278  125mW Thick Film Resistors 150V ±1% 100mΩ 0805 Chip Resistor - Surface Mount ROHS  [R0805]  121.29 35.91 270 top
R279  62.5mW Thick Film Resistors 50V ±100ppm/℃ ±1% 13kΩ 0402 Chip Resistor - Surface Mount ROHS  [R0402]  124.93 23.21 180 top
R280  62.5mW Thick Film Resistors 50V ±100ppm/℃ ±1% 10kΩ 0402 Chip Resistor - Surface Mount ROHS  [R0402]  124.93 21.18 180 top
R281  62.5mW Thick Film Resistors 50V ±100ppm/℃ ±1% 1kΩ 0402 Chip Resistor - Surface Mount ROHS  [R0402]  124.93 22.19 0 top